# Altium PCB higgs.PcbDoc (part 21 of 25)
Units mm, origin at the board's own origin, x right, y up, seen from the top; angles counter-clockwise.
Board outline 160 x 160 mm, 15 copper layers (TOP, P1(GND), S1(V), P2(GND), S2(H), P3(GND), S3(V12/V2V5), S4(VDDR), P4(GND), S5(V), P5(GND), S6(H), P6(GND), P1(GND) (Plane1), BOT), stack 3.262 mm thick; 1283 components, 2419 nets, 11066 pads, 5487 vias.
Unrouted connection lines stored in the file: 239.
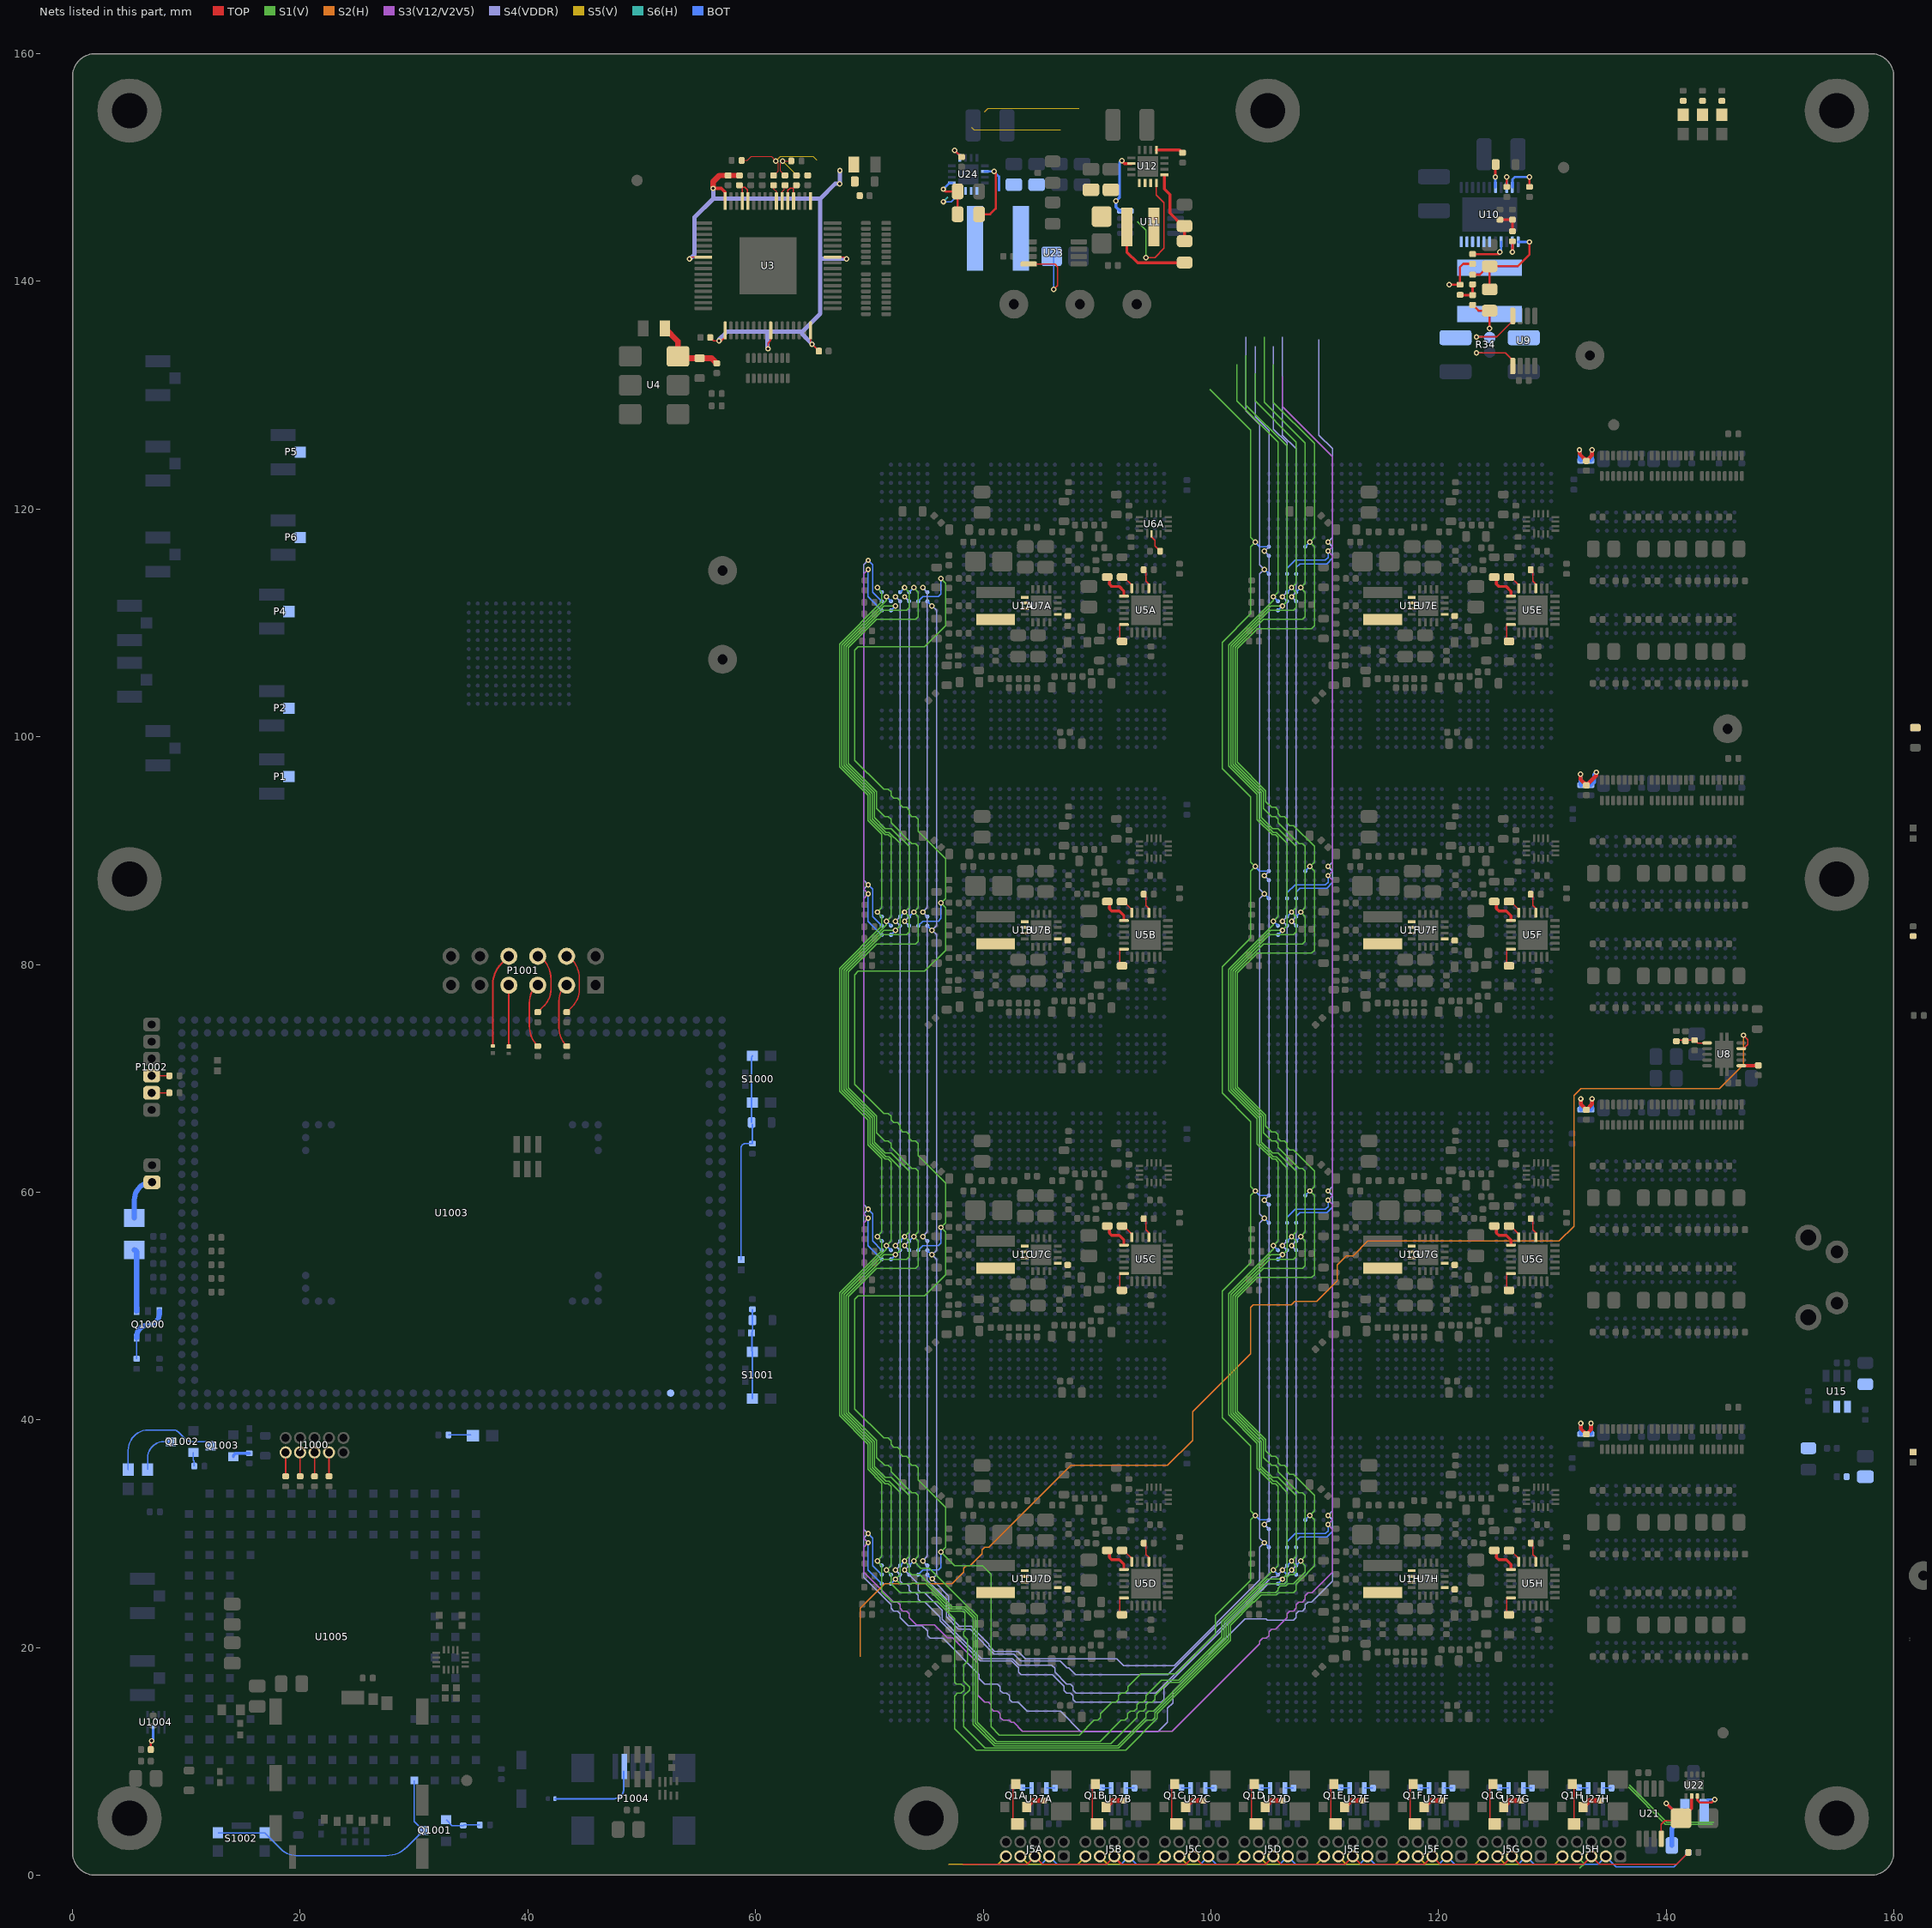
[diagram p34: the nets of this part, all layers, seen from the top]

## Via types
v1: diameter 0.483, hole 0.254, TOP to BOT, tented both sides, 5146 vias
v2: diameter 0.457, hole 0.254, TOP to BOT, tented both sides, 278 vias
v3: diameter 0.5, hole 0.25, TOP to BOT, 50 vias
v4: diameter 0.483/0/0/0/0.483/0/0/0.483 (per signal layer), hole 0.254, TOP to BOT, tented both sides, 7 vias
v5: diameter 0.483, hole 0.254, TOP to BOT, tented bottom, 5 vias
v6: diameter 0.483, hole 0.254, TOP to BOT, 1 vias

## Nets (pads, with @x,y where several pads share a name; then routed paths per layer and width w, separated by ;. In a path a pad name is that pad's centre, name@x,y a point inside that pad or via, vN(x,y) a via of type N, cw(c..) or ccw(c..) an arc to the next point about the centre after c; other vN are vias at no path point) (continued)
IMIB135.S18: U1A.D15 U1B.D15 U1C.D15 U1D.D15 U1E.B16 U1F.B16 U1G.B16 U1H.B16 | length 285.2
  S1(V) w0.102: v1(73.9,113.1) 74.299,112.701 74.299,111 74.299,110.535 74.065,110.301 73.802,110.301 73.8,110.299 70.616,110.299 68.143,107.826 68.143,97.673 70.644,95.173 70.644,93.692 71.336,92.999 71.665,92.999 71.899,92.765 71.899,92.436 73.736,90.599 74.065,90.599 74.299,90.365 74.299,84.999 ; 102.3,132.7 102.3,129.493 105.899,125.894 105.899,125.2 105.899,112.699 ; 105.901,112.701 v1(105.5,112.3) 105.5,111.991 101.572,108.062 101.572,97.437 104.072,94.936 104.072,92.731 105.404,91.399 105.665,91.399 105.901,91.164 105.901,84.201 ; v1(73.9,84.6) 74.299,84.999 ; v1(73.9,84.6) 74.299,84.201 ; v1(73.9,84.6) 74.299,84.201 ; v1(73.9,84.6) 74.299,84.999 ; 74.299,84.201 74.299,82.5 74.299,82.035 74.065,81.801 73.802,81.801 73.8,81.799 70.616,81.799 68.143,79.326 68.143,69.173 70.644,66.673 70.644,65.192 71.336,64.499 71.665,64.499 71.899,64.265 71.899,63.936 73.736,62.099 74.065,62.099 74.299,61.865 74.299,56.499 v1(73.9,56.1) 74.299,55.701 74.299,54 74.299,53.535 74.065,53.301 73.802,53.301 73.8,53.299 70.616,53.299 68.143,50.826 68.143,40.673 70.644,38.173 70.644,36.692 71.336,35.999 71.665,35.999 71.899,35.765 71.899,35.436 73.736,33.599 74.065,33.599 74.299,33.365 74.299,27.999 v1(73.9,27.6) 74.525,26.975 75.279,26.975 78.898,23.356 78.91,23.356 79.5,22.766 79.5,13.414 81.171,11.743 90.279,11.743 92.135,13.599 92.464,13.599 92.699,13.835 92.699,14.164 92.935,14.399 93.264,14.399 93.499,14.635 93.499,14.964 93.735,15.199 94.064,15.199 94.301,15.436 94.301,15.765 95.659,17.124 97.163,17.124 100.976,20.937 100.976,22.276 v1(105.5,26.8) 105.901,27.201 105.901,34.164 105.665,34.399 105.404,34.399 104.072,35.731 104.072,37.936 101.572,40.437 101.572,51.062 105.5,54.991 v1(105.5,55.3) 105.901,55.701 105.901,62.664 105.665,62.899 105.404,62.899 104.072,64.231 104.072,66.436 101.572,68.937 101.572,79.562 105.5,83.491 v1(105.5,83.8) ; v1(105.5,83.8) 105.901,84.201 ; v1(105.5,83.8) 105.901,84.201
  BOT w0.102: U1D.D15@73.5,27.2 v1(73.9,27.6) ; U1C.D15@73.5,55.7 v1(73.9,56.1) ; U1B.D15@73.5,84.2 v1(73.9,84.6) ; U1A.D15@73.5,112.7 v1(73.9,113.1) ; v1(105.5,26.8) U1H.B16@105.9,26.4 ; v1(105.5,55.3) U1G.B16@105.9,54.9 ; v1(105.5,83.8) U1F.B16@105.9,83.4 ; v1(105.5,112.3) U1E.B16@105.9,111.9
IMIB135.S19: U1A.F15 U1B.F15 U1C.F15 U1D.F15 U1E.A11 U1F.A11 U1G.A11 U1H.A11 | length 240.6
  S4(VDDR) w0.102: v1(74.7,113.1) 75.099,112.701 75.099,84.999 v1(74.7,84.6) 75.099,84.201 75.099,56.499 v1(74.7,56.1) 75.099,55.701 75.099,27.999 v1(74.7,27.6) 75.099,27.201 75.099,25.904 76.766,24.238 76.766,22.685 77.851,21.599 78.865,21.599 79.099,21.365 79.099,21.298 80.966,19.431 82.694,19.431 83.305,18.82 86.756,18.82 87.375,18.2 87.535,18.2 88.135,17.601 88.45,17.601 96.241,17.601 105.099,26.459 105.099,30.401 v1(104.7,30.8) 105.1,31.2 105.1,58.9 v1(104.7,59.3) 105.1,59.7 105.1,87.4 v1(104.7,87.8) 105.1,88.2 105.1,115.9 v1(104.7,116.3) 105.1,116.7 105.1,126.892 103.9,128.092 103.9,134.3
  BOT w0.102: v1(74.7,27.6) U1D.F15@75.1,27.2 ; v1(74.7,56.1) U1C.F15@75.1,55.7 ; v1(74.7,84.6) U1B.F15@75.1,84.2 ; v1(74.7,113.1) U1A.F15@75.1,112.7 ; v1(104.7,30.8) U1H.A11@105.1,30.4 ; v1(104.7,59.3) U1G.A11@105.1,58.9 ; v1(104.7,87.8) U1F.A11@105.1,87.4 ; v1(104.7,116.3) U1E.A11@105.1,115.9
IMIB135.S20: U1A.A15 U1B.A15 U1C.A15 U1D.A15 U1E.E10 U1F.E10 U1G.E10 U1H.E10 | length 297.1
  S1(V) w0.102: v1(70.7,113.1) 71.099,112.701 71.099,111.859 67.381,108.141 67.381,97.358 69.882,94.857 69.882,92.652 71.099,91.435 71.099,90.2 71.099,84.999 v1(70.7,84.6) 71.099,84.201 71.099,83.359 67.381,79.641 67.381,68.858 69.882,66.357 69.882,64.152 71.099,62.935 71.099,61.7 71.099,56.499 v1(70.7,56.1) 71.1,55.7 ; 71.099,55.701 71.099,54.859 67.381,51.141 67.381,40.358 69.882,37.857 69.882,35.652 71.099,34.435 71.099,33.2 71.099,27.999 v1(70.7,27.6) 71.1,27.2 71.1,24.9 71.999,24.001 73.691,24.001 73.715,24.025 74.096,24.025 74.12,24.001 74.865,24.001 74.889,24.025 76,24.025 77.501,22.524 77.501,16.95 77.652,16.799 77.74,16.799 78.071,16.8 78.305,16.566 78.305,16.23 78.074,15.999 77.735,15.999 77.518,15.782 ; 77.501,15.782 77.501,12.874 79.35,11.025 ; 79.35,10.981 92.515,10.981 95.29,13.756 95.29,14.173 101.738,20.621 101.738,21.961 103.779,24.001 103.826,24.001 ; 103.775,23.95 103.826,24.001 ; 105.5,132.7 105.5,129.362 109.101,125.761 109.101,117.503 ; 109.075,27.15 108.491,26.566 108.491,26.557 107.499,25.565 107.499,25.035 107.265,24.801 105.935,24.801 105.744,24.61 104.435,24.61 103.826,24.001 ; 109.099,27.15 109.099,31.203 108.701,31.601 109.1,32 109.1,33.364 107.264,35.201 106.935,35.201 106.701,35.435 106.701,35.764 106.464,36.001 106.135,36.001 105.901,36.235 105.901,36.564 105.665,36.799 105.336,36.799 104.834,37.301 104.834,38.251 102.334,40.752 102.334,50.747 104.087,52.5 108.864,52.5 109.099,52.735 109.099,52.799 ; 109.099,59.703 108.701,60.101 109.1,60.5 109.1,61.864 107.264,63.701 106.935,63.701 106.701,63.935 106.701,64.264 106.464,64.501 106.135,64.501 105.901,64.735 105.901,65.064 105.665,65.299 105.337,65.299 104.834,65.801 104.834,66.751 102.334,69.252 102.334,79.247 104.087,81 108.864,81 109.099,81.235 109.099,81.299 ; 109.099,109.799 109.099,109.735 108.864,109.5 104.087,109.5 102.334,107.747 102.334,97.752 104.834,95.251 104.834,94.301 105.337,93.799 105.665,93.799 105.901,93.564 105.901,93.235 106.135,93.001 106.464,93.001 106.701,92.764 106.701,92.435 106.935,92.201 107.264,92.201 109.1,90.364 109.1,89 108.701,88.601 109.1,88.202 109.1,81.3 ; 109.1,52.8 109.1,59.702 ; 109.1,109.8 109.1,116.702 108.701,117.101 109.1,117.5
  BOT w0.102: v1(70.7,27.6) U1D.A15@71.1,27.2 ; v1(70.7,56.1) U1C.A15@71.1,55.7 ; v1(70.7,84.6) U1B.A15@71.1,84.2 ; v1(70.7,113.1) U1A.A15@71.1,112.7 ; U1H.E10@108.3,31.202 v1(108.7,31.602) ; U1G.E10@108.3,59.7 v1(108.7,60.102) ; U1F.E10@108.3,88.202 v1(108.7,88.602) ; U1E.E10@108.3,116.702 v1(108.7,117.102)
IMIB135.S21: U1A.C15 U1B.C15 U1C.C15 U1D.C15 U1E.B17 U1F.B17 U1G.B17 U1H.B17 | length 288.4
  S1(V) w0.102: v1(73.099,113.099) 73.499,112.699 73.499,111.9 73.499,111.335 73.265,111.101 71.149,111.101 67.953,107.905 67.953,97.595 70.453,95.094 70.453,92.889 71.403,91.939 71.926,91.939 73.499,90.365 73.499,90.035 73.499,84.999 ; 103.1,133.5 103.1,129.124 106.7,125.524 106.7,111.9 ; 106.699,111.899 106.3,111.5 105.279,111.5 101.762,107.983 101.762,97.516 104.263,95.015 104.263,92.81 105.483,91.59 105.744,91.59 106.699,90.635 106.699,90.3 106.699,83.399 ; v1(73.099,84.599) 73.499,84.199 ; v1@73.1,84.6 73.499,84.999 ; v1(73.099,84.599) 73.499,84.199 ; v1@73.1,84.6 73.499,84.999 ; 73.499,84.199 73.499,83.4 73.499,82.835 73.265,82.601 71.149,82.601 67.953,79.405 67.953,69.095 70.453,66.594 70.453,64.389 71.403,63.439 71.926,63.439 73.499,61.865 73.499,61.535 73.499,56.499 73.1,56.1 73.499,55.699 73.499,54.9 73.499,54.335 73.265,54.101 71.149,54.101 67.953,50.905 67.953,40.595 70.453,38.094 70.453,35.889 71.403,34.939 71.926,34.939 73.499,33.365 73.499,33.035 73.499,27.999 73.1,27.6 73.499,27.199 73.499,27.05 73.501,27.048 73.501,26.635 73.735,26.401 74.432,26.401 77.253,23.58 78.404,23.58 79.31,22.675 79.31,13.335 81.092,11.553 91.217,11.553 93.499,13.835 93.499,14.164 93.735,14.399 94.064,14.399 94.299,14.635 94.299,14.964 94.535,15.199 94.864,15.199 95.101,15.436 95.101,15.765 96.269,16.933 97.242,16.933 101.167,20.858 101.167,22.197 104.969,26 v1(106.3,26) 106.3,26.034 106.699,26.433 106.699,33.3 106.699,33.635 105.744,34.59 105.483,34.59 104.263,35.81 104.263,38.015 101.762,40.516 101.762,50.983 105.279,54.5 v1(106.3,54.5) ; v1(106.3,54.5) 106.699,54.899 ; v1@106.3,54.5 106.699,54.899 ; v1@106.3,83 105.279,83 101.762,79.483 101.762,69.016 104.263,66.515 104.263,64.31 105.483,63.09 105.744,63.09 106.699,62.135 106.699,61.8 106.699,54.899 ; v1@106.3,83 106.699,83.399 ; v1@106.3,83 106.699,83.399
  BOT w0.102: v1(73.099,27.599) U1D.C15@72.7,27.2 ; v1(73.099,56.099) U1C.C15@72.7,55.7 ; v1(73.099,84.599) U1B.C15@72.7,84.2 ; v1(73.099,113.099) U1A.C15@72.7,112.7 ; U1H.B17@105.9,25.6 v1(106.3,26) ; U1G.B17@105.9,54.1 v1(106.3,54.5) ; U1F.B17@105.9,82.6 v1(106.3,83) ; U1E.B17@105.9,111.1 v1(106.3,111.5) ; U1D.C15@72.7,27.2 U1D.C15@72.7,27.2 ; U1C.C15@72.699,55.699 U1C.C15@72.7,55.7 ; U1B.C15@72.7,84.2 U1B.C15@72.7,84.2 ; U1A.C15@72.699,112.699 U1A.C15@72.7,112.7
IMIB135.S22: U1A.E16 U1B.E16 U1C.E16 U1D.E16 U1E.A10 U1F.A10 U1G.A10 U1H.A10 | length 303.8
  S1(V) w0.102: v1(76.3,113.9) 76.699,113.501 76.699,109.735 74.865,107.901 69.026,107.901 68.715,107.589 68.715,97.91 69.854,96.771 69.9,96.771 71.271,95.399 71.665,95.399 71.901,95.164 71.901,94.835 72.137,94.599 72.465,94.599 72.701,94.364 72.701,94.035 72.935,93.801 73.264,93.801 73.499,93.565 73.499,93.236 73.736,92.999 74.065,92.999 74.299,92.765 74.299,91.704 76.699,89.304 76.699,88.7 76.699,85.799 ; 76.699,56.501 76.699,52.735 74.865,50.901 69.026,50.901 68.715,50.589 68.715,40.956 71.271,38.399 71.665,38.399 71.901,38.164 71.901,37.835 72.136,37.599 72.465,37.599 72.701,37.364 72.701,37.035 72.935,36.801 73.264,36.801 73.499,36.565 73.499,36.236 73.736,35.999 74.065,35.999 74.299,35.765 74.299,34.704 76.699,32.304 76.699,31.7 76.699,28.799 v1(76.3,28.4) 77.501,27.199 78.865,27.199 78.889,27.175 79.95,27.175 80.701,26.424 80.701,13.035 81.421,12.315 88.45,12.315 89.735,13.599 90.064,13.599 90.301,13.836 90.301,14.165 91.335,15.199 91.664,15.199 91.899,15.435 91.899,15.764 92.135,15.999 92.464,15.999 92.701,16.237 92.701,16.565 93.831,17.695 96.926,17.695 100.405,21.174 100.405,22.805 103.501,25.901 103.501,31.201 v1(103.9,31.6) 103.501,31.999 103.501,37.699 101,40.2 101,51.299 103.501,53.8 103.501,59.701 v1(103.9,60.1) 103.501,60.499 103.501,66.199 101,68.7 101,79.799 103.501,82.3 103.501,88.201 ; 76.701,56.499 v1(76.3,56.9) 76.699,57.299 76.699,60.2 76.699,60.804 74.299,63.204 74.299,64.265 74.065,64.499 73.736,64.499 73.499,64.736 73.499,65.065 73.264,65.301 72.935,65.301 72.701,65.535 72.701,65.864 72.465,66.099 72.137,66.099 71.901,66.335 71.901,66.664 71.665,66.899 71.271,66.899 68.715,69.456 68.715,79.089 69.026,79.401 74.865,79.401 76.699,81.235 76.699,85.001 ; 76.701,84.999 76.699,85.001 ; 99.901,130.535 103.501,126.935 103.501,117.499 v1(103.9,117.1) 103.501,116.701 103.501,110.8 101,108.299 101,97.2 103.501,94.699 103.501,88.999 ; v1(76.3,85.4) 76.699,85.799 ; v1(76.3,85.4) 76.699,85.001 ; v1(76.3,85.4) 76.699,85.001 ; v1(76.3,85.4) 76.699,85.799 ; 103.501,88.201 v1(103.9,88.6) ; 103.501,88.201 v1(103.9,88.6) ; 103.501,88.999 v1(103.9,88.6) ; 103.501,88.999 v1(103.9,88.6)
  BOT w0.102: U1D.E16@74.3,26.4 74.7,26.8 76.065,26.8 76.3,27.034 v1(76.3,28.4) ; U1C.E16@74.3,54.9 74.7,55.3 76.065,55.3 76.3,55.534 v1(76.3,56.9) ; U1B.E16@74.3,83.4 74.7,83.8 76.065,83.8 76.3,84.034 v1(76.3,85.4) ; U1A.E16@74.3,111.9 74.7,112.3 76.065,112.3 76.3,112.534 v1(76.3,113.9) ; v1(103.9,31.6) 104.3,31.2 U1H.A10@105.1,31.2 ; v1(103.9,60.1) 104.3,59.7 U1G.A10@105.1,59.7 ; v1(103.9,88.6) 104.3,88.2 U1F.A10@105.1,88.2 ; v1(103.9,117.1) 104.3,116.7 U1E.A10@105.1,116.7
IMIB135.S23: U1A.F16 U1B.F16 U1C.F16 U1D.F16 U1E.A13 U1F.A13 U1G.A13 U1H.A13 | length 238.2
  S4(VDDR) w0.102: v1(75.5,111.5) 75.899,111.101 75.899,83.399 v1(75.5,83) 75.899,82.601 75.899,54.899 v1(75.5,54.5) 75.899,54.101 75.899,26.399 75.5,26 75.899,25.601 76.975,24.525 76.975,22.806 77.921,21.86 78.966,21.86 79.276,21.549 79.276,21.524 80.51,20.29 80.51,20.156 81.016,19.65 83.075,19.65 83.715,19.01 91.741,19.01 92.35,18.401 96.771,18.401 104.301,25.931 104.301,28.801 v1(104.7,29.2) 104.301,29.599 104.301,57.301 v1(104.7,57.7) 104.301,58.099 104.301,85.801 v1(104.7,86.2) 104.301,86.599 104.301,114.301 v1(104.7,114.7) 104.301,115.099 104.301,127.421 103.1,128.622 103.1,135.1
  BOT w0.102: U1D.F16@75.1,26.4 75.466,26.034 75.47,26.037 v1(75.537,26.037) ; U1C.F16@75.1,54.9 v1(75.5,54.5) ; U1B.F16@75.1,83.4 v1(75.5,83) ; U1A.F16@75.1,111.9 v1(75.5,111.5) ; v1(104.7,29.2) U1H.A13@105.1,28.8 ; v1(104.7,57.7) U1G.A13@105.1,57.3 ; v1(104.7,86.2) U1F.A13@105.1,85.8 ; v1(104.7,114.7) U1E.A13@105.1,114.3
IMIB135.S24: U1A.C16 U1B.C16 U1C.C16 U1D.C16 U1E.D16 U1F.D16 U1G.D16 U1H.D16 | length 247.9
  S4(VDDR) w0.102: v1(72.3,112.3) 72.699,111.901 72.699,84.199 v1(72.3,83.8) 72.699,83.401 72.699,55.699 v1(72.3,55.3) 72.699,54.901 72.699,27.199 v1(72.3,26.8) 72.7,26.4 72.7,25.836 72.936,25.599 73.265,25.599 73.501,25.364 73.501,25.035 73.711,24.824 74.065,24.824 74.301,24.589 74.301,24.235 74.536,23.999 74.539,23.999 74.54,24 74.871,24 76.194,22.677 76.194,22.356 79.75,18.8 82.517,18.8 83.101,18.216 83.101,17.835 83.335,17.601 86.099,17.601 87.107,16.593 87.107,16.235 87.341,16.002 87.663,16.002 87.901,15.764 87.901,15.435 88.135,15.201 88.5,15.201 95.665,15.201 95.899,15.435 95.899,16.451 105.049,25.601 106.465,25.601 106.699,25.835 106.699,26.399 v1(107.1,26.8) 107.499,27.199 107.499,54.901 v1(107.1,55.3) 107.499,55.699 107.499,83.401 v1(107.1,83.8) 107.499,84.199 107.499,111.901 v1(107.1,112.3) 107.5,112.7 107.5,125.3 106.3,126.5 106.3,135.1
  BOT w0.102: v1(72.3,26.8) U1D.C16@72.7,26.4 ; v1(72.3,55.3) U1C.C16@72.7,54.9 ; v1(72.3,83.8) U1B.C16@72.7,83.4 ; v1(72.3,112.3) U1A.C16@72.7,111.9 ; v1(107.1,26.8) U1H.D16@107.5,26.4 ; v1(107.1,55.3) U1G.D16@107.5,54.9 ; v1(107.1,83.8) U1F.D16@107.5,83.4 ; v1(107.1,112.3) U1E.D16@107.5,111.9
IMIB135.S25: U1A.D16 U1B.D16 U1C.D16 U1D.D16 U1E.C16 U1F.C16 U1G.C16 U1H.C16 | length 243.5
  S4(VDDR) w0.102: v1(73.1,112.3) 73.499,111.901 73.499,84.199 v1(73.1,83.8) 73.499,83.401 73.499,55.699 v1(73.1,55.3) 73.499,54.901 73.499,27.199 v1(73.1,26.8) 74.305,25.595 74.305,25.061 74.301,25.057 74.301,25.035 74.535,24.801 74.865,24.801 76.385,23.282 76.385,22.466 79.85,19 82.586,19 83.147,18.439 86.026,18.439 86.299,18.165 86.299,17.836 87.335,16.801 87.671,16.801 87.905,16.566 87.905,16.237 88.141,16.002 89.148,16.002 89.15,16 95.179,16 105.389,26.21 105.744,26.21 v1@106.3,26.766 ; 105.5,134.3 105.5,127.031 106.7,125.831 106.7,112.7 v1(106.3,112.3) 106.699,111.901 106.699,84.199 v1(106.3,83.8) 106.699,83.401 106.699,55.699 v1(106.3,55.3) 106.699,54.901 106.699,27.199 v1(106.3,26.8)
  BOT w0.102: v1(73.1,26.8) U1D.D16@73.5,26.4 ; v1(73.1,55.3) U1C.D16@73.5,54.9 ; v1(73.1,83.8) U1B.D16@73.5,83.4 ; v1(73.1,112.3) U1A.D16@73.5,111.9 ; v1(106.3,26.8) U1H.C16@106.7,26.4 ; v1(106.3,55.3) U1G.C16@106.7,54.9 ; v1(106.3,83.8) U1F.C16@106.7,83.4 ; v1(106.3,112.3) U1E.C16@106.7,111.9
IMIB135.S26: U1A.A16 U1B.A16 U1C.A16 U1D.A16 U1E.D13 U1F.D13 U1G.D13 U1H.D13 | length 295.7
  S4(VDDR) w0.102: v1(69.9,115.5) 69.501,115.101 69.501,87.399 v1(69.9,87) 69.501,86.601 69.501,58.899 v1(69.9,58.5) 69.501,58.101 69.501,30.399 v1(69.9,30) 69.501,29.601 69.501,26.164 71.901,23.764 71.901,23.435 72.136,23.199 72.465,23.199 72.701,22.964 72.701,22.635 73.411,21.925 74.625,21.925 75.101,21.449 75.101,21.035 75.335,20.801 76.464,20.801 79.645,17.62 79.645,17.291 80.136,16.799 81.265,16.799 81.507,16.558 81.507,16.235 81.741,16.002 82.063,16.002 82.301,15.764 82.301,15.435 82.535,15.201 83.065,15.201 83.867,14.399 86.798,14.399 88.586,12.61 95.375,12.61 96.199,13.435 96.199,14.657 96.669,15.127 96.669,16.143 103.026,22.5 104.872,22.5 104.972,22.401 107.265,22.401 107.501,22.636 107.501,22.965 107.735,23.199 108.064,23.199 108.301,23.437 108.301,23.765 108.535,23.999 108.864,23.999 110.699,25.835 110.699,31.201 v1(110.3,31.6) 110.7,32 110.7,59.7 v1(110.3,60.1) 110.7,60.5 110.7,88.2 v1(110.3,88.6) 110.7,89 110.7,116.7 v1(110.3,117.1) 110.699,117.499 110.699,125.299 109.5,126.498 109.5,134.899
  BOT w0.102: v1(69.9,30) 70.3,29.6 70.3,27.2 U1D.A16@71.1,26.4 ; v1(69.9,58.5) 70.3,58.1 70.3,55.7 U1C.A16@71.1,54.9 ; v1(69.9,87) 70.3,86.6 70.3,84.2 U1B.A16@71.1,83.4 ; v1(69.9,115.5) 70.3,115.1 70.3,112.7 U1A.A16@71.1,111.9 ; U1H.D13@107.5,28.8 107.501,28.801 107.501,29.365 107.831,29.695 110.192,29.695 110.699,30.203 110.699,31.201 v1(110.3,31.6) ; U1G.D13@107.5,57.3 U1G.D13@107.5,57.3 107.501,57.865 107.831,58.195 110.192,58.195 110.699,58.703 110.699,59.701 v1(110.3,60.1) ; U1F.D13@107.5,85.8 U1F.D13@107.5,85.8 107.501,86.365 107.831,86.695 110.192,86.695 110.699,87.203 110.699,88.201 v1(110.3,88.6) ; U1E.D13@107.5,114.3 U1E.D13@107.5,114.3 107.501,114.865 107.831,115.195 110.192,115.195 110.699,115.703 110.699,116.701 v1(110.3,117.1)
IMIB135.S27: U1A.B16 U1B.B16 U1C.B16 U1D.B16 U1E.D15 U1F.D15 U1G.D15 U1H.D15 | length 294.7
  S1(V) w0.102: v1(71.5,112.3) 71.5,111.991 67.572,108.062 67.572,97.437 70.072,94.936 70.072,92.731 71.404,91.399 71.665,91.399 71.901,91.164 71.901,84.201 ; 78.6,18.725 78.301,18.426 78.301,17.035 78.8,16.536 78.8,16.264 78.301,15.765 78.301,13.035 80.164,11.172 91.905,11.172 94.335,13.601 94.865,13.601 95.099,13.835 95.099,14.252 101.548,20.7 101.548,22.04 104.309,24.801 105.665,24.801 105.899,25.035 105.899,25.199 106.11,25.41 106.579,25.41 106.769,25.601 107.265,25.601 108.3,26.636 108.3,27.125 ; 78.625,18.725 78.625,20.711 78.301,21.035 78.301,21.365 78.4,21.464 78.4,23.046 78.247,23.199 77.095,23.199 75.494,24.801 74.089,24.801 74.065,24.824 73.735,24.824 73.711,24.801 72.698,24.801 71.899,25.6 71.899,26.401 v1(71.5,26.8) 71.901,27.201 71.901,34.164 71.665,34.399 71.404,34.399 70.072,35.731 70.072,37.936 67.572,40.437 67.572,51.062 71.5,54.991 v1(71.5,55.3) 71.901,55.701 71.901,62.664 71.665,62.899 71.404,62.899 70.072,64.231 70.072,66.436 67.572,68.937 67.572,79.562 71.5,83.491 v1(71.5,83.8) ; 104.7,135.1 104.7,129.4 108.3,125.8 108.3,113.5 ; 108.299,27.125 108.299,27.201 v1(107.9,27.6) 108.299,27.999 108.299,33.365 108.065,33.599 107.736,33.599 105.899,35.436 105.899,35.765 105.665,35.999 105.336,35.999 104.644,36.692 104.644,38.173 102.143,40.673 102.143,50.826 104.616,53.299 107.8,53.299 107.802,53.301 108.065,53.301 108.299,53.535 108.299,54 108.299,55.701 v1(107.9,56.1) 108.299,56.499 108.299,61.865 108.065,62.099 107.737,62.099 105.899,63.936 105.899,64.265 105.665,64.499 105.336,64.499 104.644,65.192 104.644,66.673 102.143,69.173 102.143,79.326 104.616,81.799 107.8,81.799 107.802,81.801 108.065,81.801 108.299,82.035 108.299,82.5 108.299,84.201 ; 108.299,113.499 v1(107.9,113.1) 108.299,112.701 108.299,111 108.299,110.535 108.065,110.301 107.802,110.301 107.8,110.299 104.616,110.299 102.143,107.826 102.143,97.673 104.644,95.173 104.644,93.692 105.336,92.999 105.665,92.999 105.899,92.765 105.899,92.436 107.737,90.599 108.065,90.599 108.299,90.365 108.299,84.999 ; v1(71.5,83.8) 71.901,84.201 ; v1(71.5,83.8) 71.901,84.201 ; v1(107.9,84.6) 108.299,84.999 ; v1(107.9,84.6) 108.299,84.201 ; v1(107.9,84.6) 108.299,84.201 ; v1(107.9,84.6) 108.299,84.999
  BOT w0.102: v1(71.5,26.8) U1D.B16@71.9,26.4 ; v1(71.5,55.3) U1C.B16@71.9,54.9 ; v1(71.5,83.8) U1B.B16@71.9,83.4 ; v1(71.5,112.3) U1A.B16@71.9,111.9 ; U1H.D15@107.5,27.2 v1(107.9,27.6) ; U1G.D15@107.5,55.7 v1(107.9,56.1) ; U1F.D15@107.5,84.2 v1(107.9,84.6) ; U1E.D15@107.5,112.7 v1(107.9,113.1)
IMIB135.S28: U1A.B17 U1B.B17 U1C.B17 U1D.B17 U1E.C15 U1F.C15 U1G.C15 U1H.C15 | length 287.6
  S1(V) w0.102: v1(72.3,111.5) 71.279,111.5 67.762,107.983 67.762,97.516 70.263,95.015 70.263,92.81 71.483,91.59 71.744,91.59 72.699,90.635 72.699,90.3 72.699,83.399 ; 80.975,11.362 91.826,11.362 94.301,13.837 94.301,14.165 94.535,14.399 94.977,14.399 101.357,20.779 101.357,22.118 104.84,25.601 106.5,25.601 106.701,25.802 106.701,26.165 106.935,26.399 107.265,26.399 107.501,26.635 107.501,26.75 ; 80.975,11.4 79.119,13.256 79.119,22.596 78.325,23.39 77.174,23.39 74.938,25.625 73.74,25.625 73.714,25.599 72.701,25.599 v1(72.3,26) 72.699,26.399 72.699,33.3 72.699,33.635 71.744,34.59 71.483,34.59 70.263,35.81 70.263,38.015 67.762,40.516 67.762,50.983 71.279,54.5 v1(72.3,54.5) ; 103.9,131.9 103.9,129.5 107.5,125.9 107.5,113.5 ; v1(107.099,27.599) 107.499,27.199 107.499,26.75 ; v1(107.099,56.099) 107.499,55.699 107.499,54.9 107.499,54.335 107.265,54.101 105.149,54.101 101.953,50.905 101.953,40.595 104.453,38.094 104.453,35.889 105.403,34.939 105.926,34.939 107.499,33.365 107.499,33.035 107.499,27.999 v1@107.1,27.6 ; v1(107.099,113.099) 107.499,112.699 107.499,111.9 107.499,111.335 107.265,111.101 105.149,111.101 101.953,107.905 101.953,97.595 104.453,95.094 104.453,92.889 105.403,91.939 105.926,91.939 107.499,90.365 107.499,90.035 107.499,84.999 ; v1(107.099,56.099) 107.499,56.499 107.499,61.535 107.499,61.865 105.926,63.439 105.403,63.439 104.453,64.389 104.453,66.594 101.953,69.095 101.953,79.405 105.149,82.601 107.265,82.601 107.499,82.835 107.499,83.4 107.499,84.199 ; v1(107.099,113.099) 107.499,113.499 ; v1(72.3,54.5) 72.699,54.899 ; v1(72.3,54.5) 72.699,54.899 ; v1(72.3,83) 71.279,83 67.762,79.483 67.762,69.016 70.263,66.515 70.263,64.31 71.483,63.09 71.744,63.09 72.699,62.135 72.699,61.8 72.699,54.899 ; v1(72.3,83) 72.699,83.399 ; v1(72.3,83) 72.699,83.399 ; 107.499,84.199 v1(107.099,84.599) 107.499,84.199 ; 107.499,84.999 107.1,84.6 107.499,84.999